# KiCad board Video Board - Memory.kicad_pcb
title: HCP65 Video Memoy; date: 2024-08-26; rev: V0
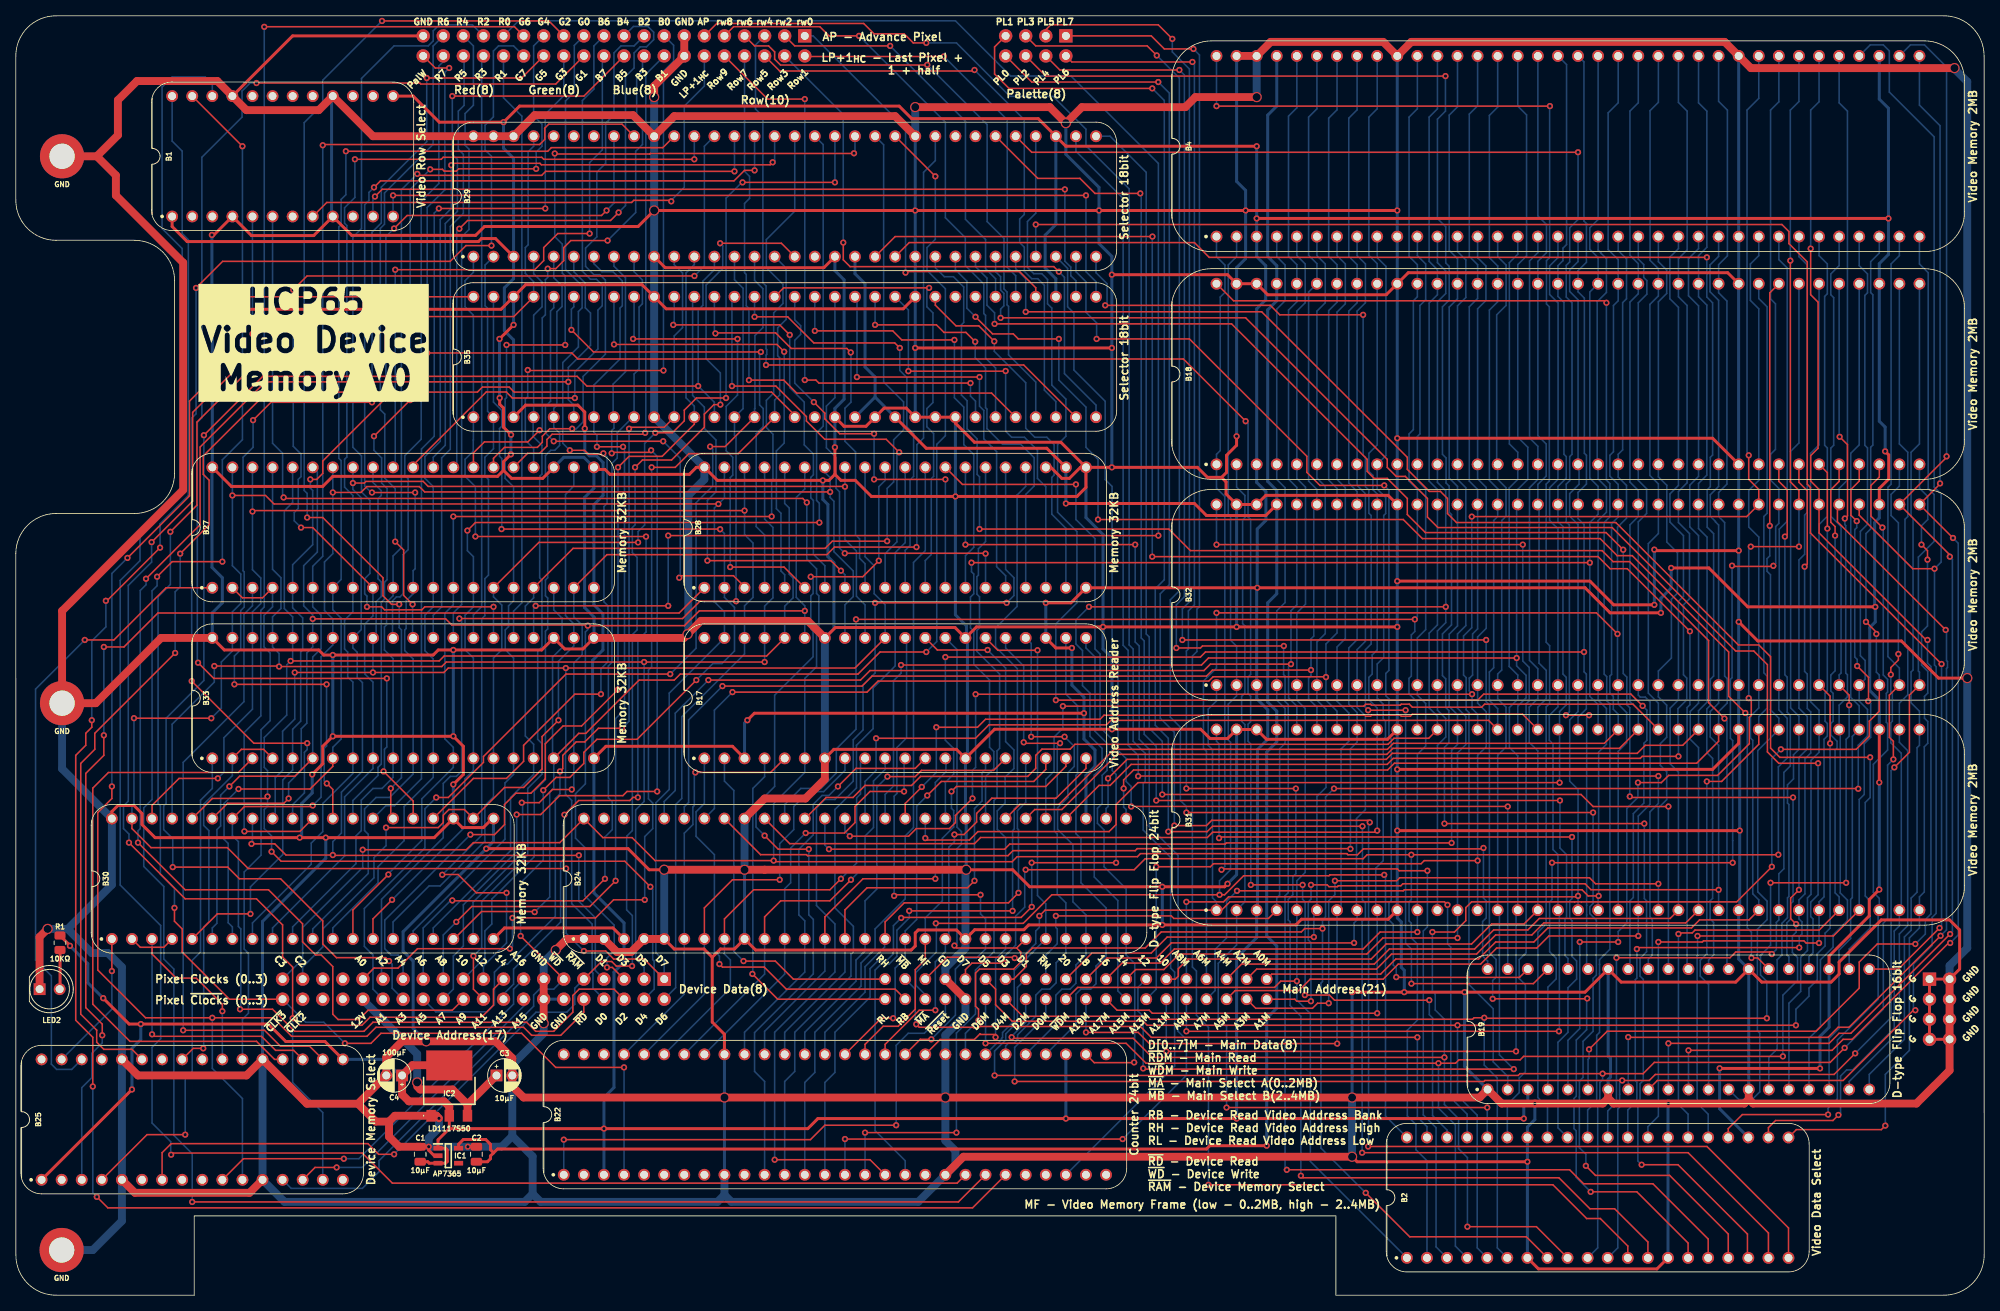
[diagram p0: board, top side]
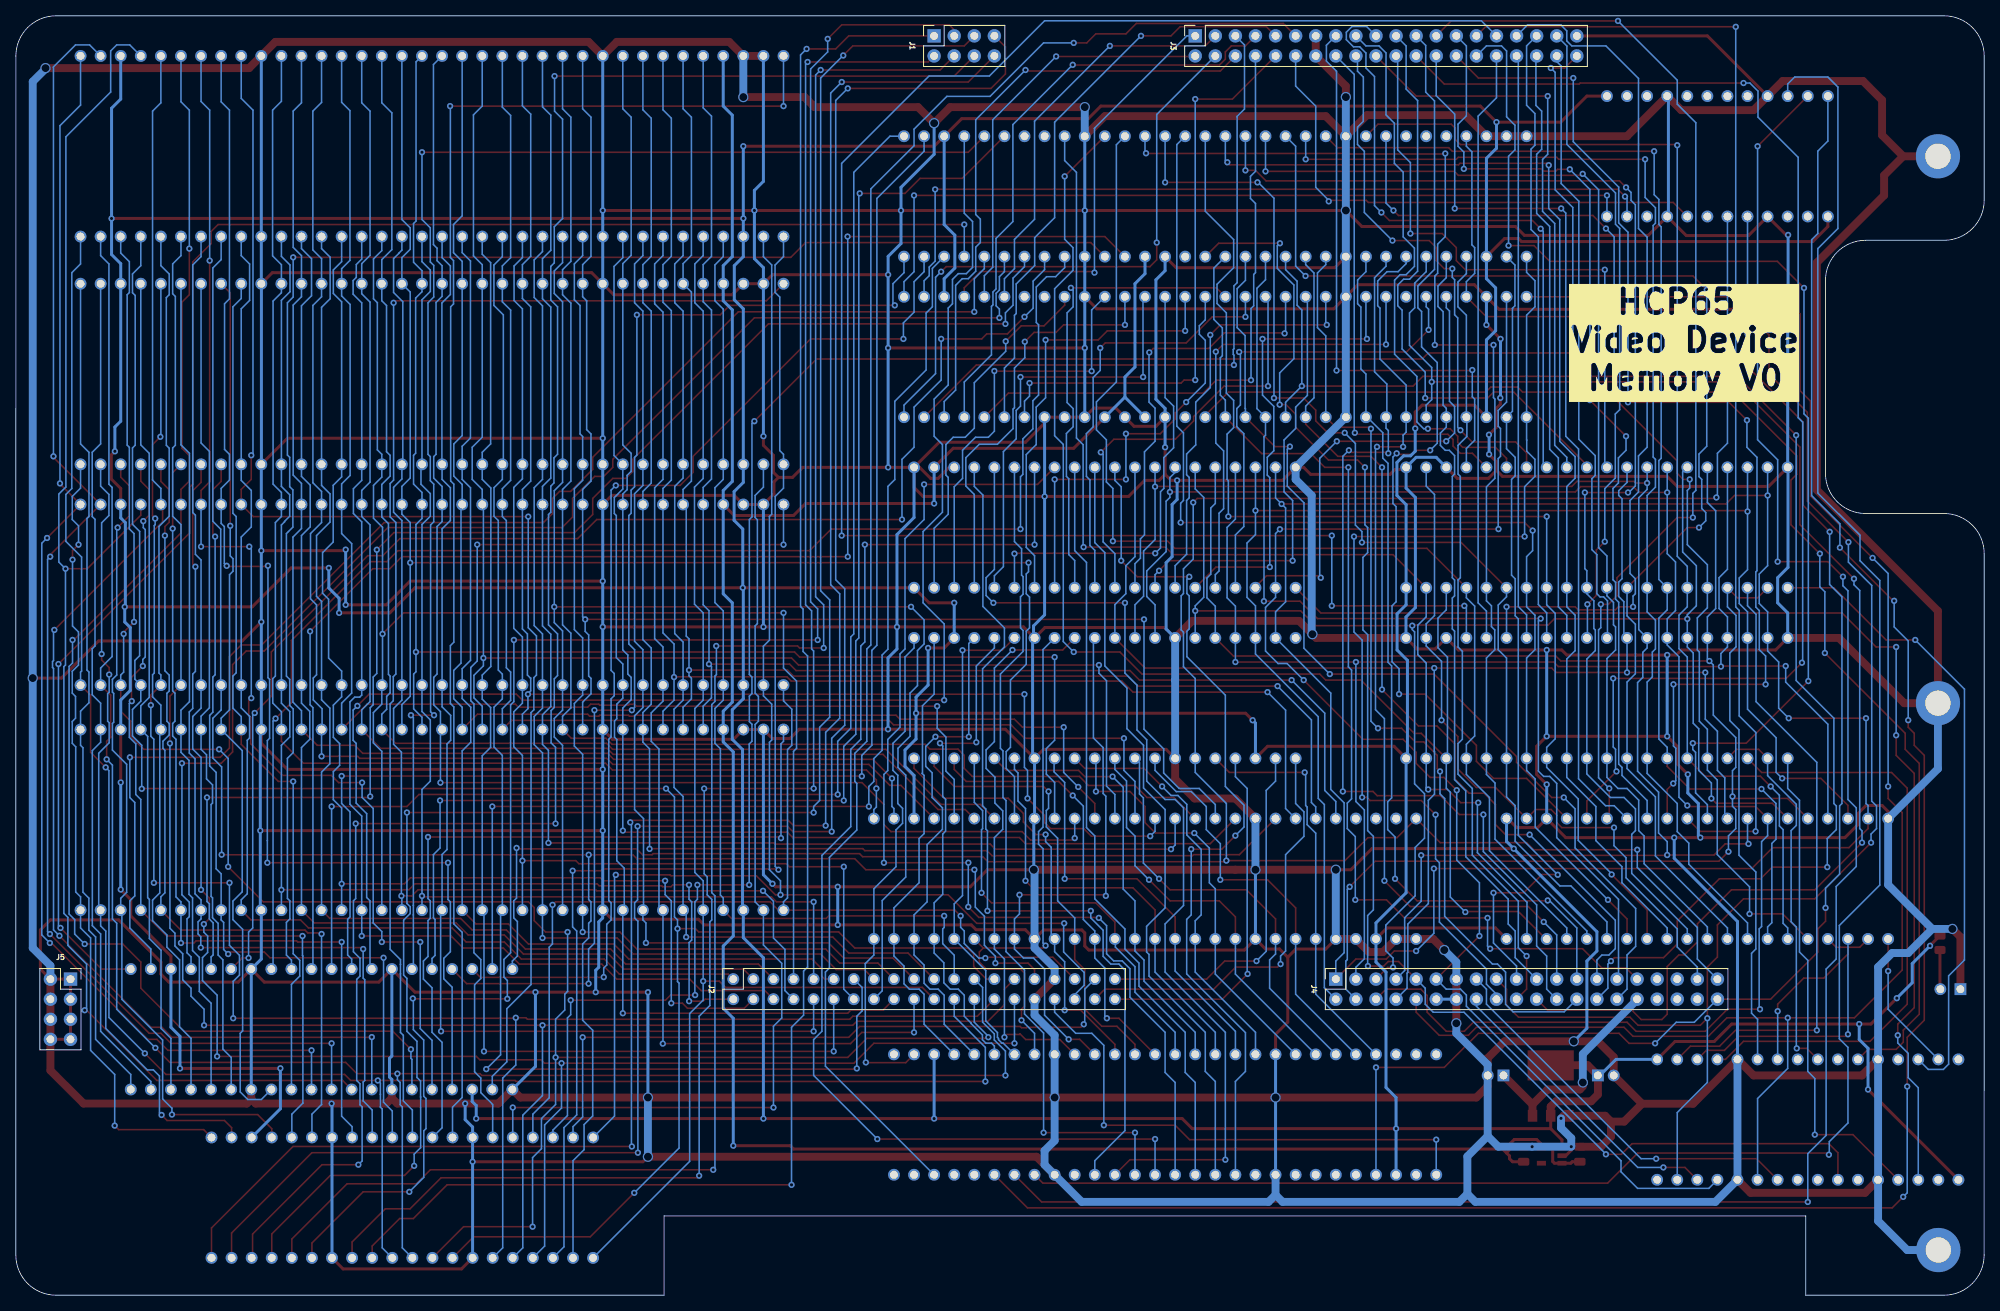
[diagram p1: board, bottom side, seen from below]

Outline 248.94 x 161.93 mm; copper layers: Top, Bottom. Coordinates in mm from the lower left corner of the outline.
Outline path: 0,156.85 0,138.59 arc(1.49,135) 5.08,133.51 14.99,133.51 arc(18.59,132.03) 20.07,128.43 20.07,104.01 arc(18.59,100.42) 14.99,98.93 5.08,98.93 arc(1.49,97.45) 0,93.85 0.01,5.08 arc(1.5,1.49) 5.09,0 22.56,0 22.56,10.03 166.95,10.03 166.95,0 243.86,0 arc(247.45,1.49) 248.94,5.08 248.93,156.85 arc(247.44,160.44) 243.85,161.93 5.08,161.93 arc(1.49,160.44) 0,156.85
Stack: Top 0.035mm / dielectric 1.51mm FR4 er 4.5 / Bottom 0.035mm

## Placement (name value [footprint] x y rotation side)
B1  Video Row Select  [HCP65_Video_Row_Select]  19.77 136.53 90 top
B2  Video Data Select  [HCP65_Video_Data_Select]  175.93 4.72 90 top
B4  Video Memory 2MB  [HCP65_Video_Memory_2MB]  151.85 133.99 90 top
B17  Video Address Reader  [HCP65_Video_Address_Reader]  87.08 67.95 90 top
B18  Video Memory 2MB  [HCP65_Video_Memory_2MB]  151.85 105.16 90 top
B19  D-type Flip Flop 16bit  [HCP65_D_Flip_Flop_16bit]  186.14 26.04 90 top
B22  Counter 24bit  [HCP65_Counter_24bit]  69.3 15.24 90 top
B24  D-type Flip Flop 24bit  [HCP65_D_Flip_Flop_24bit]  71.84 45.09 90 top
B25  Device Memory Select  [HCP65_Video_Device_RAM_Select]  3.26 14.61 90 top
B27  Memory 32KB  [HCP65_Memory_32KB_With_Latch]  24.85 89.54 90 top
B28  Memory 32KB  [HCP65_Memory_32KB_With_Latch]  87.08 89.54 90 top
B29  Selector 18bit  [HCP65_Selector_18bit]  57.87 131.45 90 top
B30  Memory 32KB  [HCP65_Memory_32KB_With_Latch]  12.15 45.09 90 top
B31  Video Memory 2MB  [HCP65_Video_Memory_2MB]  151.85 48.73 90 top
B32  Video Memory 2MB  [HCP65_Video_Memory_2MB]  151.85 77.22 90 top
B33  Memory 32KB  [HCP65_Memory_32KB_With_Latch]  24.85 67.95 90 top
B35  Selector 18bit  [HCP65_Selector_18bit]  57.87 111.13 90 top
C1  10µF  [C_0805]  51.14 17.82 0 top
C2  10µF  [C_0805]  58.25 17.82 0 top
C3  10μF  [CP_Radial_D4.0mm_P2.00mm]  60.79 27.81 0 top
C4  100μF  [CP_Radial_D4.0mm_P2.00mm]  48.85 27.81 180 top
H1  MountingHole_Pad  [HCP65_MountingHole_M3_]  5.85 74.93 0 top
H9  MountingHole_Pad  [HCP65_MountingHole_M3_]  5.8 5.72 0 top
H19  MountingHole_Pad  [HCP65_MountingHole_M3_]  5.85 144.15 0 top
IC1  AP7365-33WG-7  [SOT95P285X130-5N]  54.7 17.65 0 top
IC2  LD1117S50C  [LD1117S33C]  54.82 25.91 0 top
J1  Conn_01x08_Pin  [PinSocket_2x04_P2.54mm_Vertical]  132.8 159.39 90 bottom
J2  Conn_01x40_Pin  [PinSocket_2x20_P2.54mm_Vertical]  158.2 40.01 90 bottom
J3  Conn_01x12_Pin  [PinSocket_2x20_P2.54mm_Vertical]  99.78 159.39 90 bottom
J4  Conn_01x12_Pin  [PinSocket_2x20_P2.54mm_Vertical]  82 40.01 90 bottom
J5  Conn_01x08_Pin  [PinSocket_2x04_P2.54mm_Vertical]  242.02 40.01 180 bottom
LED2  Red  [LED_D5.0mm]  3.01 38.74 0 top
R1  10KΩ  [R_0805]  5.6 44.6 0 top

## Library data of the parts
C1 C2 = -: ki_fp_filters: C_*
C3 C4 = -: ki_fp_filters: CP_*
H1 H9 H19 = -: ki_fp_filters: MountingHole*Pad*
IC1 = -: Datasheet: https://componentsearchengine.com/Datasheets/1/AP7365-33WG-7.pdf; Description: 3.3V LDO voltage regulator; Silkscreen: AP7365; Height: 1.3; Manufacturer_Name: Diodes Inc.; Mouser Part Number: 621-AP7365-33WG-7; Mouser Price/Stock: https://www.mouser.co.uk/ProductDetail/Diodes-Incorporated/AP7365-33WG-7?qs=abZ1nkZpTuOZFvxvoFPL0w%3D%3D; Arrow Price/Stock: https://www.arrow.com/en/products/ap7365-33wg-7/diodes-incorporated?region=nac
IC2 = -: Datasheet: https://www.st.com/resource/en/datasheet/ld1117.pdf; Description: IC: voltage regulator; LDO, linear, fixed; 5.0V; 0.95A; SOT223; SMD; Silkscreen: LD1117S50; Height: 1.8; Manufacturer_Name: STMicroelectronics; Garbage: IC: voltage regulator; LDO, linear, fixed; 5.0V; 0.95A; SOT223; SMD
J1 J5 = -: Description: Generic connector, single row, 01x08, script generated; ki_fp_filters: Connector*:*_1x??_*
J2-J4 = -: Description: Generic connector, single row, 01x40, script generated; ki_fp_filters: Connector*:*_1x??_*
LED2 = -: ki_fp_filters: LED* LED_SMD:* LED_THT:*

## Footprints (pads in the part's own frame, mm; a bottom-side part is the same pattern mirrored in y, then rotated)
C_0805
  rrect 1.45x1 smd: 1(0,-0.934) 2(0,0.966)
CP_Radial_D4.0mm_P2.00mm
  rect 1.5x1.5 hole 1: 1(0,0)
  round 1.5 hole 1: 2(2,0)
HCP65_Counter_24bit
  round 1.5 hole 1: 1(0,0) 2(0,-2.54) 3(0,-5.08) 4(0,-7.62) 5(0,-10.16) 6(0,-12.7) 7(0,-15.24) 8(0,-17.78) 9(0,-20.32) 10(0,-22.86) 11(0,-25.4) 12(0,-27.94) 13(0,-30.48) 14(0,-33.02) 15(0,-35.56) 16(0,-38.1) 17(0,-40.64) 18(0,-43.18) 19(0,-45.72) 20(0,-48.26) 21(0,-50.8) 22(0,-53.34) 23(0,-55.88) 24(0,-58.42) 25(0,-60.96) 26(0,-63.5) 27(0,-66.04) 28(0,-68.58) 29(15.24,-68.58) 30(15.24,-66.04) 31(15.24,-63.5) 32(15.24,-60.96) 33(15.24,-58.42) 34(15.24,-55.88) 35(15.24,-53.34) 36(15.24,-50.8) 37(15.24,-48.26) 38(15.24,-45.72) 39(15.24,-43.18) 40(15.24,-40.64) 41(15.24,-38.1) 42(15.24,-35.56) 43(15.24,-33.02) 44(15.24,-30.48) 45(15.24,-27.94) 46(15.24,-25.4) 47(15.24,-22.86) 48(15.24,-20.32) 49(15.24,-17.78) 50(15.24,-15.24) 51(15.24,-12.7) 52(15.24,-10.16) 53(15.24,-7.62) 54(15.24,-5.08) 55(15.24,-2.54) 56(15.24,0)
HCP65_D_Flip_Flop_16bit
  round 1.5 hole 1: 1(0,0) 2(0,-2.54) 3(0,-5.08) 4(0,-7.62) 5(0,-10.16) 6(0,-12.7) 7(0,-15.24) 8(0,-17.78) 9(0,-20.32) 10(0,-22.86) 11(0,-25.4) 12(0,-27.94) 13(0,-30.48) 14(0,-33.02) 15(0,-35.56) 16(0,-38.1) 17(0,-40.64) 18(0,-43.18) 19(0,-45.72) 20(0,-48.26) 21(15.24,-48.26) 22(15.24,-45.72) 23(15.24,-43.18) 24(15.24,-40.64) 25(15.24,-38.1) 26(15.24,-35.56) 27(15.24,-33.02) 28(15.24,-30.48) 29(15.24,-27.94) 30(15.24,-25.4) 31(15.24,-22.86) 32(15.24,-20.32) 33(15.24,-17.78) 34(15.24,-15.24) 35(15.24,-12.7) 36(15.24,-10.16) 37(15.24,-7.62) 38(15.24,-5.08) 39(15.24,-2.54) 40(15.24,0)
HCP65_D_Flip_Flop_24bit
  round 1.5 hole 1: 1(0,0) 2(0,-2.54) 3(0,-5.08) 4(0,-7.62) 5(0,-10.16) 6(0,-12.7) 7(0,-15.24) 8(0,-17.78) 9(0,-20.32) 10(0,-22.86) 11(0,-25.4) 12(0,-27.94) 13(0,-30.48) 14(0,-33.02) 15(0,-35.56) 16(0,-38.1) 17(0,-40.64) 18(0,-43.18) 19(0,-45.72) 20(0,-48.26) 21(0,-50.8) 22(0,-53.34) 23(0,-55.88) 24(0,-58.42) 25(0,-60.96) 26(0,-63.5) 27(0,-66.04) 28(0,-68.58) 29(15.24,-68.58) 30(15.24,-66.04) 31(15.24,-63.5) 32(15.24,-60.96) 33(15.24,-58.42) 34(15.24,-55.88) 35(15.24,-53.34) 36(15.24,-50.8) 37(15.24,-48.26) 38(15.24,-45.72) 39(15.24,-43.18) 40(15.24,-40.64) 41(15.24,-38.1) 42(15.24,-35.56) 43(15.24,-33.02) 44(15.24,-30.48) 45(15.24,-27.94) 46(15.24,-25.4) 47(15.24,-22.86) 48(15.24,-20.32) 49(15.24,-17.78) 50(15.24,-15.24) 51(15.24,-12.7) 52(15.24,-10.16) 53(15.24,-7.62) 54(15.24,-5.08) 55(15.24,-2.54) 56(15.24,0)
HCP65_Memory_32KB_With_Latch
  round 1.5 hole 1: 1(0,0) 2(0,-2.54) 3(0,-5.08) 4(0,-7.62) 5(0,-10.16) 6(0,-12.7) 7(0,-15.24) 8(0,-17.78) 9(0,-20.32) 10(0,-22.86) 11(0,-25.4) 12(0,-27.94) 13(0,-30.48) 14(0,-33.02) 15(0,-35.56) 16(0,-38.1) 17(0,-40.64) 18(0,-43.18) 19(0,-45.72) 20(0,-48.26) 21(15.24,-48.26) 22(15.24,-45.72) 23(15.24,-43.18) 24(15.24,-40.64) 25(15.24,-38.1) 26(15.24,-35.56) 27(15.24,-33.02) 28(15.24,-30.48) 29(15.24,-27.94) 30(15.24,-25.4) 31(15.24,-22.86) 32(15.24,-20.32) 33(15.24,-17.78) 34(15.24,-15.24) 35(15.24,-12.7) 36(15.24,-10.16) 37(15.24,-7.62) 38(15.24,-5.08) 39(15.24,-2.54) 40(15.24,0)
HCP65_MountingHole_M3_
  round 5.6 hole 3.2: 1(0,0)
HCP65_Selector_18bit
  round 1.5 hole 1: 1(0,0) 2(0,-2.54) 3(0,-5.08) 4(0,-7.62) 5(0,-10.16) 6(0,-12.7) 7(0,-15.24) 8(0,-17.78) 9(0,-20.32) 10(0,-22.86) 11(0,-25.4) 12(0,-27.94) 13(0,-30.48) 14(0,-33.02) 15(0,-35.56) 16(0,-38.1) 17(0,-40.64) 18(0,-43.18) 19(0,-45.72) 20(0,-48.26) 21(0,-50.8) 22(0,-53.34) 23(0,-55.88) 24(0,-58.42) 25(0,-60.96) 26(0,-63.5) 27(0,-66.04) 28(0,-68.58) 29(0,-71.12) 30(0,-73.66) 31(0,-76.2) 32(0,-78.74) 33(15.24,-78.74) 34(15.24,-76.2) 35(15.24,-73.66) 36(15.24,-71.12) 37(15.24,-68.58) 38(15.24,-66.04) 39(15.24,-63.5) 40(15.24,-60.96) 41(15.24,-58.42) 42(15.24,-55.88) 43(15.24,-53.34) 44(15.24,-50.8) 45(15.24,-48.26) 46(15.24,-45.72) 47(15.24,-43.18) 48(15.24,-40.64) 49(15.24,-38.1) 50(15.24,-35.56) 51(15.24,-33.02) 52(15.24,-30.48) 53(15.24,-27.94) 54(15.24,-25.4) 55(15.24,-22.86) 56(15.24,-20.32) 57(15.24,-17.78) 58(15.24,-15.24) 59(15.24,-12.7) 60(15.24,-10.16) 61(15.24,-7.62) 62(15.24,-5.08) 63(15.24,-2.54) 64(15.24,0)
HCP65_Video_Address_Reader
  round 1.5 hole 1: 1(0,0) 2(0,-2.54) 3(0,-5.08) 4(0,-7.62) 5(0,-10.16) 6(0,-12.7) 7(0,-15.24) 8(0,-17.78) 9(0,-20.32) 10(0,-22.86) 11(0,-25.4) 12(0,-27.94) 13(0,-30.48) 14(0,-33.02) 15(0,-35.56) 16(0,-38.1) 17(0,-40.64) 18(0,-43.18) 19(0,-45.72) 20(0,-48.26) 21(15.24,-48.26) 22(15.24,-45.72) 23(15.24,-43.18) 24(15.24,-40.64) 25(15.24,-38.1) 26(15.24,-35.56) 27(15.24,-33.02) 28(15.24,-30.48) 29(15.24,-27.94) 30(15.24,-25.4) 31(15.24,-22.86) 32(15.24,-20.32) 33(15.24,-17.78) 34(15.24,-15.24) 35(15.24,-12.7) 36(15.24,-10.16) 37(15.24,-7.62) 38(15.24,-5.08) 39(15.24,-2.54) 40(15.24,0)
HCP65_Video_Data_Select
  round 1.5 hole 1: 1(0,0) 2(0,-2.54) 3(0,-5.08) 4(0,-7.62) 5(0,-10.16) 6(0,-12.7) 7(0,-15.24) 8(0,-17.78) 9(0,-20.32) 10(0,-22.86) 11(0,-25.4) 12(0,-27.94) 13(0,-30.48) 14(0,-33.02) 15(0,-35.56) 16(0,-38.1) 17(0,-40.64) 18(0,-43.18) 19(0,-45.72) 20(0,-48.26) 21(15.24,-48.26) 22(15.24,-45.72) 23(15.24,-43.18) 24(15.24,-40.64) 25(15.24,-38.1) 26(15.24,-35.56) 27(15.24,-33.02) 28(15.24,-30.48) 29(15.24,-27.94) 30(15.24,-25.4) 31(15.24,-22.86) 32(15.24,-20.32) 33(15.24,-17.78) 34(15.24,-15.24) 35(15.24,-12.7) 36(15.24,-10.16) 37(15.24,-7.62) 38(15.24,-5.08) 39(15.24,-2.54) 40(15.24,0)
HCP65_Video_Device_RAM_Select
  round 1.5 hole 1: 1(0,0) 2(0,-2.54) 3(0,-5.08) 4(0,-7.62) 5(0,-10.16) 6(0,-12.7) 7(0,-15.24) 8(0,-17.78) 9(0,-20.32) 10(0,-22.86) 11(0,-25.4) 12(0,-27.94) 13(0,-30.48) 14(0,-33.02) 15(0,-35.56) 16(0,-38.1) 17(15.24,-38.1) 18(15.24,-35.56) 19(15.24,-33.02) 20(15.24,-30.48) 21(15.24,-27.94) 22(15.24,-25.4) 23(15.24,-22.86) 24(15.24,-20.32) 25(15.24,-17.78) 26(15.24,-15.24) 27(15.24,-12.7) 28(15.24,-10.16) 29(15.24,-7.62) 30(15.24,-5.08) 31(15.24,-2.54) 32(15.24,0)
HCP65_Video_Memory_2MB
  round 1.5 hole 1: 1(0,0) 2(0,-2.54) 3(0,-5.08) 4(0,-7.62) 5(0,-10.16) 6(0,-12.7) 7(0,-15.24) 8(0,-17.78) 9(0,-20.32) 10(0,-22.86) 11(0,-25.4) 12(0,-27.94) 13(0,-30.48) 14(0,-33.02) 15(0,-35.56) 16(0,-38.1) 17(0,-40.64) 18(0,-43.18) 19(0,-45.72) 20(0,-48.26) 21(0,-50.8) 22(0,-53.34) 23(0,-55.88) 24(0,-58.42) 25(0,-60.96) 26(0,-63.5) 27(0,-66.04) 28(0,-68.58) 29(0,-71.12) 30(0,-73.66) 31(0,-76.2) 32(0,-78.74) 33(0,-81.28) 34(0,-83.82) 35(0,-86.36) 36(0,-88.9) 37(22.86,-88.9) 38(22.86,-86.36) 39(22.86,-83.82) 40(22.86,-81.28) 41(22.86,-78.74) 42(22.86,-76.2) 43(22.86,-73.66) 44(22.86,-71.12) 45(22.86,-68.58) 46(22.86,-66.04) 47(22.86,-63.5) 48(22.86,-60.96) 49(22.86,-58.42) 50(22.86,-55.88) 51(22.86,-53.34) 52(22.86,-50.8) 53(22.86,-48.26) 54(22.86,-45.72) 55(22.86,-43.18) 56(22.86,-40.64) 57(22.86,-38.1) 58(22.86,-35.56) 59(22.86,-33.02) 60(22.86,-30.48) 61(22.86,-27.94) 62(22.86,-25.4) 63(22.86,-22.86) 64(22.86,-20.32) 65(22.86,-17.78) 66(22.86,-15.24) 67(22.86,-12.7) 68(22.86,-10.16) 69(22.86,-7.62) 70(22.86,-5.08) 71(22.86,-2.54) 72(22.86,0)
HCP65_Video_Row_Select
  round 1.5 hole 1: 1(0,0) 2(0,-2.54) 3(0,-5.08) 4(0,-7.62) 5(0,-10.16) 6(0,-12.7) 7(0,-15.24) 8(0,-17.78) 9(0,-20.32) 10(0,-22.86) 11(0,-25.4) 12(0,-27.94) 13(15.24,-27.94) 14(15.24,-25.4) 15(15.24,-22.86) 16(15.24,-20.32) 17(15.24,-17.78) 18(15.24,-15.24) 19(15.24,-12.7) 20(15.24,-10.16) 21(15.24,-7.62) 22(15.24,-5.08) 23(15.24,-2.54) 24(15.24,0)
LD1117S33C
  rect 1.2x1.5 smd: 1(-2.3,-3.2) 2(0,-3.2) 3(2.3,-3.2)
  rect 5.842x3.81 smd: 4(0,3.175)
LED_D5.0mm
  rect 1.5x1.5 hole 1: 1(0,0)
  round 1.5 hole 1: 2(2.54,0)
PinSocket_2x04_P2.54mm_Vertical
  rect 1.7x1.7 hole 1: 1(0,0)
  round 1.7 hole 1: 2(-2.54,0) 3(0,-2.54) 4(-2.54,-2.54) 5(0,-5.08) 6(-2.54,-5.08) 7(0,-7.62) 8(-2.54,-7.62)
PinSocket_2x20_P2.54mm_Vertical
  rect 1.7x1.7 hole 1: 1(0,0)
  round 1.7 hole 1: 2(-2.54,0) 3(0,-2.54) 4(-2.54,-2.54) 5(0,-5.08) 6(-2.54,-5.08) 7(0,-7.62) 8(-2.54,-7.62) 9(0,-10.16) 10(-2.54,-10.16) 11(0,-12.7) 12(-2.54,-12.7) 13(0,-15.24) 14(-2.54,-15.24) 15(0,-17.78) 16(-2.54,-17.78) 17(0,-20.32) 18(-2.54,-20.32) 19(0,-22.86) 20(-2.54,-22.86) 21(0,-25.4) 22(-2.54,-25.4) 23(0,-27.94) 24(-2.54,-27.94) 25(0,-30.48) 26(-2.54,-30.48) 27(0,-33.02) 28(-2.54,-33.02) 29(0,-35.56) 30(-2.54,-35.56) 31(0,-38.1) 32(-2.54,-38.1) 33(0,-40.64) 34(-2.54,-40.64) 35(0,-43.18) 36(-2.54,-43.18) 37(0,-45.72) 38(-2.54,-45.72) 39(0,-48.26) 40(-2.54,-48.26)
R_0805
  rrect 1.4x1.025 smd: 1(-0.01,-0.912) 2(-0.01,0.912)
SOT95P285X130-5N
  rect 1.15x0.6 smd: 1(-1.3,0.95) 2(-1.3,0) 3(-1.3,-0.95) 4(1.3,-0.95) 5(1.3,0.95)

## Nets
/3.3V: B4.69 B18.69 B28.22 B29.20 B31.69 B32.69 B35.20 B35.22 C2.1 IC1.5
/5V: B1.1 B1.13 B2.23 B4.3 B4.39 B17.3 B17.23 B18.3 B18.39 B19.3 B19.23 B22.3 B22.31 B24.3 B24.31 B25.1 B25.17 B27.20 B28.20 B29.3 B29.35 B30.20 B31.3 B31.39 B32.3 B32.39 B33.20 B35.3 B35.35 C1.1 C4.1 IC1.1 IC1.3 IC2.2 IC2.4 R1.2
/12V: C3.1 IC2.3 J4.32
/AV0: B4.47 B18.47 B24.29 B31.47 B32.47
/AV1: B4.48 B18.48 B24.30 B31.48 B32.48
/AV2: B4.49 B18.49 B24.32 B31.49 B32.49
/AV3: B4.50 B18.50 B24.33 B31.50 B32.50
/AV4: B4.51 B18.51 B24.34 B31.51 B32.51
/AV5: B4.52 B18.52 B24.35 B31.52 B32.52
/AV6: B4.53 B18.53 B24.36 B31.53 B32.53
/AV7: B4.54 B18.54 B24.38 B31.54 B32.54
/AV8: B4.55 B18.55 B24.39 B31.55 B32.55
/AV9: B4.56 B18.56 B24.40 B31.56 B32.56
/AV10: B4.57 B18.57 B24.41 B31.57 B32.57
/AV11: B4.58 B18.58 B24.42 B31.58 B32.58
/AV12: B4.59 B18.59 B24.43 B31.59 B32.59
/AV13: B4.60 B18.60 B24.44 B31.60 B32.60
/AV14: B4.61 B18.61 B24.45 B31.61 B32.61
/AV15: B4.62 B18.62 B24.46 B31.62 B32.62
/AV16: B4.64 B18.64 B24.47 B31.64 B32.64
/AV17: B4.65 B18.65 B24.49 B31.65 B32.65
/AV18: B4.66 B18.66 B24.50 B31.66 B32.66
/AV19: B4.67 B18.67 B24.51 B31.67 B32.67
/AV20: B4.68 B18.68 B24.52 B31.68 B32.68
/GND: B1.4 B1.9 B1.16 B1.21 B2.7 B2.14 B2.27 B2.34 B4.10 B4.27 B4.46 B4.63 B4.70 B4.71 B17.7 B17.14 B17.27 B17.34 B18.10 B18.27 B18.46 B18.63 B18.70 B18.71 B19.1 B19.7 B19.14 B19.27 B19.34 B22.9 B22.20 B22.37 B22.48 B24.1 B24.2 B24.4 B24.5 B24.9 B24.20 B24.37 B24.48 B25.5 B25.12 B25.21 B25.28 B27.21 B27.23 B27.40 B28.21 B28.23 B28.40 B29.10 B29.19 B29.23 B29.42 B29.55 B29.62 B29.63 B29.64 B30.21 B30.23 B30.40 B31.10 B31.27 B31.46 B31.63 B31.70 B31.71 B32.10 B32.27 B32.46 B32.63 B32.70 B32.71 B33.21 B33.23 B33.40 B35.10 B35.19 B35.21 B35.23 B35.24 B35.25 B35.42 B35.55 B35.62 C1.2 C2.2 C3.2 C4.2 H1.1 H9.1 H19.1 IC1.2 IC2.1 J2.32 J2.33 J3.13 J3.14 J3.39 J4.12 J4.13 J4.14 J5.1 J5.2 J5.3 J5.4 J5.5 J5.6 J5.7 J5.8 LED2.1
/(D~{RD}·D~{WD})+~{Device RAM 0}: B25.3 B28.1
/(D~{RD}·D~{WD})+~{Device RAM 1}: B25.4 B33.1
/(D~{RD}·D~{WD})+~{Device RAM 2}: B25.31 B30.1
/(D~{RD}·D~{WD})+~{Device RAM 3}: B25.30 B27.1
/AC0: B17.21 B22.30 B24.28
/AC1: B17.22 B22.32 B24.27
/AC2: B17.24 B22.33 B24.26
/AC3: B17.25 B22.34 B24.25
/AC4: B17.26 B22.35 B24.24
/AC5: B17.28 B22.36 B24.23
/AC6: B17.29 B22.38 B24.22
/AC7: B17.30 B22.39 B24.21
/AC8: B17.20 B22.40 B24.19
/AC9: B17.19 B22.41 B24.18
/AC10: B17.18 B22.42 B24.17
/AC11: B17.17 B22.43 B24.16
/AC12: B17.16 B22.44 B24.15
/AC13: B17.15 B22.45 B24.14
/AC14: B17.13 B22.46 B24.13
/AC15: B17.12 B22.47 B24.12
/AC16: B17.11 B22.49 B24.11
/AC17: B17.10 B22.50 B24.10
/AC18: B17.9 B22.51 B24.8
/AC19: B17.8 B22.52 B24.7
/AC20: B17.5 B22.53 B24.6
/AD0: B29.16 B35.16 J4.31
/AD1: B29.15 B35.15 J4.30
/AD2: B29.14 B35.14 J4.29
/AD3: B29.13 B35.13 J4.28
/AD4: B29.12 B35.12 J4.27
/AD5: B29.11 B35.11 J4.26
/AD6: B29.9 B35.9 J4.25
/AD7: B29.8 B35.8 J4.24
/AD8: B29.7 B35.7 J4.23
/AD9: B29.6 B35.6 J4.22
/AD10: B29.5 B35.5 J4.21
/AD11: B29.4 B35.4 J4.20
/AD12: B29.2 B35.2 J4.19
/AD13: B29.1 B35.1 J4.18
/AD14: B25.15 B29.61 B35.61 J4.17
/AD15: B25.14 J4.16
/AD16: B25.10 J4.15
/Advance Pixel: B22.26 J3.11
/AM0: B4.28 B18.28 B31.28 B32.28 J2.1
/AM1: B4.26 B18.26 B31.26 B32.26 J2.2
/AM2: B4.25 B18.25 B31.25 B32.25 J2.3
/AM3: B4.23 B18.23 B31.23 B32.23 J2.4
/AM4: B4.24 B18.24 B31.24 B32.24 J2.5
/AM5: B4.22 B18.22 B31.22 B32.22 J2.6
/AM6: B4.21 B18.21 B31.21 B32.21 J2.7
/AM7: B4.20 B18.20 B31.20 B32.20 J2.8
/AM8: B4.19 B18.19 B31.19 B32.19 J2.9
/AM9: B4.18 B18.18 B31.18 B32.18 J2.10
/AM10: B4.17 B18.17 B31.17 B32.17 J2.11
/AM11: B4.16 B18.16 B31.16 B32.16 J2.12
/AM12: B4.15 B18.15 B31.15 B32.15 J2.13
/AM13: B4.14 B18.14 B31.14 B32.14 J2.14
/AM14: B4.13 B18.13 B31.13 B32.13 J2.15
/AM15: B4.12 B18.12 B31.12 B32.12 J2.16
/AM16: B4.11 B18.11 B31.11 B32.11 J2.17
/AM17: B4.9 B18.9 B31.9 B32.9 J2.18
/AM18: B4.8 B18.8 B31.8 B32.8 J2.19
/AM19: B4.7 B18.7 B31.7 B32.7 J2.20
/AM20: B4.6 B18.6 B31.6 B32.6 J2.21
/Blue0: B27.24 J3.15
/Blue1: B27.25 J3.16
/Blue2: B27.26 J3.17
/Blue3: B27.27 J3.18
/Blue4: B27.28 J3.19
/Blue5: B27.29 J3.20
/Blue6: B27.30 J3.21
/Blue7: B27.31 J3.22
/CLK2: B27.22 B30.22 B33.22 J4.37
/CLK3: B1.6 B17.6 B19.40 B24.56 J4.39
/DC0: B22.18 B28.24
/DC1: B22.17 B28.25
/DC2: B22.16 B28.26
/DC3: B22.15 B28.27
/DC4: B22.14 B28.28
/DC5: B22.13 B28.29
/DC6: B22.12 B28.30
/DC7: B22.11 B28.31
/DD0: B17.31 B27.32 B28.32 B30.32 B33.32 J4.8
/DD1: B17.32 B27.33 B28.33 B30.33 B33.33 J4.7
/DD2: B17.33 B27.34 B28.34 B30.34 B33.34 J4.6
/DD3: B17.35 B27.35 B28.35 B30.35 B33.35 J4.5
/DD4: B17.36 B27.36 B28.36 B30.36 B33.36 J4.4
/DD5: B17.37 B27.37 B28.37 B30.37 B33.37 J4.3
/DD6: B17.38 B27.38 B28.38 B30.38 B33.38 J4.2
/DD7: B17.39 B27.39 B28.39 B30.39 B33.39 J4.1
/DM0: B2.11 B4.36 B32.36 J2.24
/DM1: B2.10 B4.35 B32.35 J2.25
/DM2: B2.9 B4.34 B32.34 J2.26
/DM3: B2.8 B4.33 B32.33 J2.27
/DM4: B2.6 B4.32 B32.32 J2.28
/DM5: B2.5 B4.31 B32.31 J2.29
/DM6: B2.4 B4.30 B32.30 J2.30
/DM7: B2.2 B4.29 B32.29 J2.31
/DP0: B2.21 B18.36 B31.36
/DP1: B2.22 B18.35 B31.35
/DP2: B2.24 B18.34 B31.34
/DP3: B2.25 B18.33 B31.33
/DP4: B2.26 B18.32 B31.32
/DP5: B2.28 B18.31 B31.31
/DP6: B2.29 B18.30 B31.30
/DP7: B2.30 B18.29 B31.29
/D~{RD}: B25.11 B35.64 J4.10
/D~{RD}+~{Device RAM 1}: B25.20 B33.3
/D~{RD}+~{Device RAM 2}: B25.19 B30.3
/D~{RD}+~{Device RAM 3}: B25.18 B27.3
/D~{WD}: B25.13 B28.2 B35.63 J4.11
/D~{WD}+~{Device RAM 1}: B25.25 B33.2 B33.4
/D~{WD}+~{Device RAM 2}: B25.23 B30.2 B30.4
/D~{WD}+~{Device RAM 3}: B25.22 B27.2 B27.4
/Green0: B30.24 J3.23
/Green1: B30.25 J3.24
/Green2: B30.26 J3.25
/Green3: B30.27 J3.26
/Green4: B30.28 J3.27
/Green5: B30.29 J3.28
/Green6: B30.30 J3.29
/Green7: B30.31 J3.30
/LA0: B1.12 B35.33
/LA1: B1.11 B35.34
/Last Pixel+1 _{HALF CYCLE}: B1.8 J3.12
/Load Address Bank: B1.22 B22.21
/Load Address High: B1.23 B22.22
/Load Address Low: B1.24 B22.23
/Memory Frame: B2.37 B31.1 B32.1 J2.35
/M~{RD}: B4.4 B18.4 B31.4 B32.4 J2.23
/M~{WD}: B2.1 B4.5 B18.5 B31.5 B32.5 J2.22
/Palette0: B27.19 B29.41 B30.19 B33.19
/Palette1: B27.18 B29.43 B30.18 B33.18
/Palette2: B27.17 B29.44 B30.17 B33.17
/Palette3: B27.16 B29.45 B30.16 B33.16
/Palette4: B27.15 B29.46 B30.15 B33.15
/Palette5: B27.14 B29.47 B30.14 B33.14
/Palette6: B27.13 B29.48 B30.13 B33.13
/Palette7: B27.12 B29.49 B30.12 B33.12
/Palette8: B27.11 B29.50 B30.11 B33.11
/Palette9: B27.10 B29.51 B30.10 B33.10
/Palette10: B27.9 B29.52 B30.9 B33.9
/Palette11: B27.8 B29.53 B30.8 B33.8
/Palette12: B27.7 B29.54 B30.7 B33.7
/Palette13: B27.6 B29.56 B30.6 B33.6
/Palette14: B27.5 B29.57 B30.5 B33.5
/Palette Write: B2.38 J3.40
/PL0: B2.20 J1.8
/PL1: B2.19 J1.7
/PL2: B2.18 J1.6
/PL3: B2.17 J1.5
/PL4: B2.16 J1.4
/PL5: B2.15 J1.3
/PL6: B2.13 J1.2
/PL7: B2.12 J1.1
/Read Address Bank: B17.1 J2.38
/Read Address High: B17.2 J2.39
/Read Address Low: B17.4 J2.40
/Red0: B33.24 J3.31
/Red1: B33.25 J3.32
/Red2: B33.26 J3.33
/Red3: B33.27 J3.34
/Red4: B33.28 J3.35
/Red5: B33.29 J3.36
/Red6: B33.30 J3.37
/Red7: B33.31 J3.38
/Row Address ~{OE}: B28.3 B35.60
/Row Address ~{WE}: B28.4 B35.59
/RowA0: B28.19 B35.41
/RowA1: B28.18 B35.43
/RowA2: B28.17 B35.44
/RowA3: B28.16 B35.45
/RowA4: B28.15 B35.46
/RowA5: B28.14 B35.47
/RowA6: B28.13 B35.48
/RowA7: B28.12 B35.49
/RowA8: B28.11 B35.50
/RowA9: B28.10 B35.51
/RowA10: B28.9 B35.52
/RowA11: B28.8 B35.53
/RowA12: B28.7 B35.54
/RowA13: B28.6 B35.56
/RowA14: B28.5 B35.57
/RowI0: B35.36 J3.1
/RowI1: B35.37 J3.2
/RowI2: B35.38 J3.3
/RowI3: B35.32 J3.4
/RowI4: B35.31 J3.5
/RowI5: B35.30 J3.6
/RowI6: B35.29 J3.7
/RowI7: B35.28 J3.8
/RowI8: B35.27 J3.9
/RowI9: B35.26 J3.10
/VGD0: B4.37 B19.11 B32.37